# Altium PCB FMC_ADC_100M_10B_16CHA_TDC.PcbDoc (part 3 of 12) (continued)
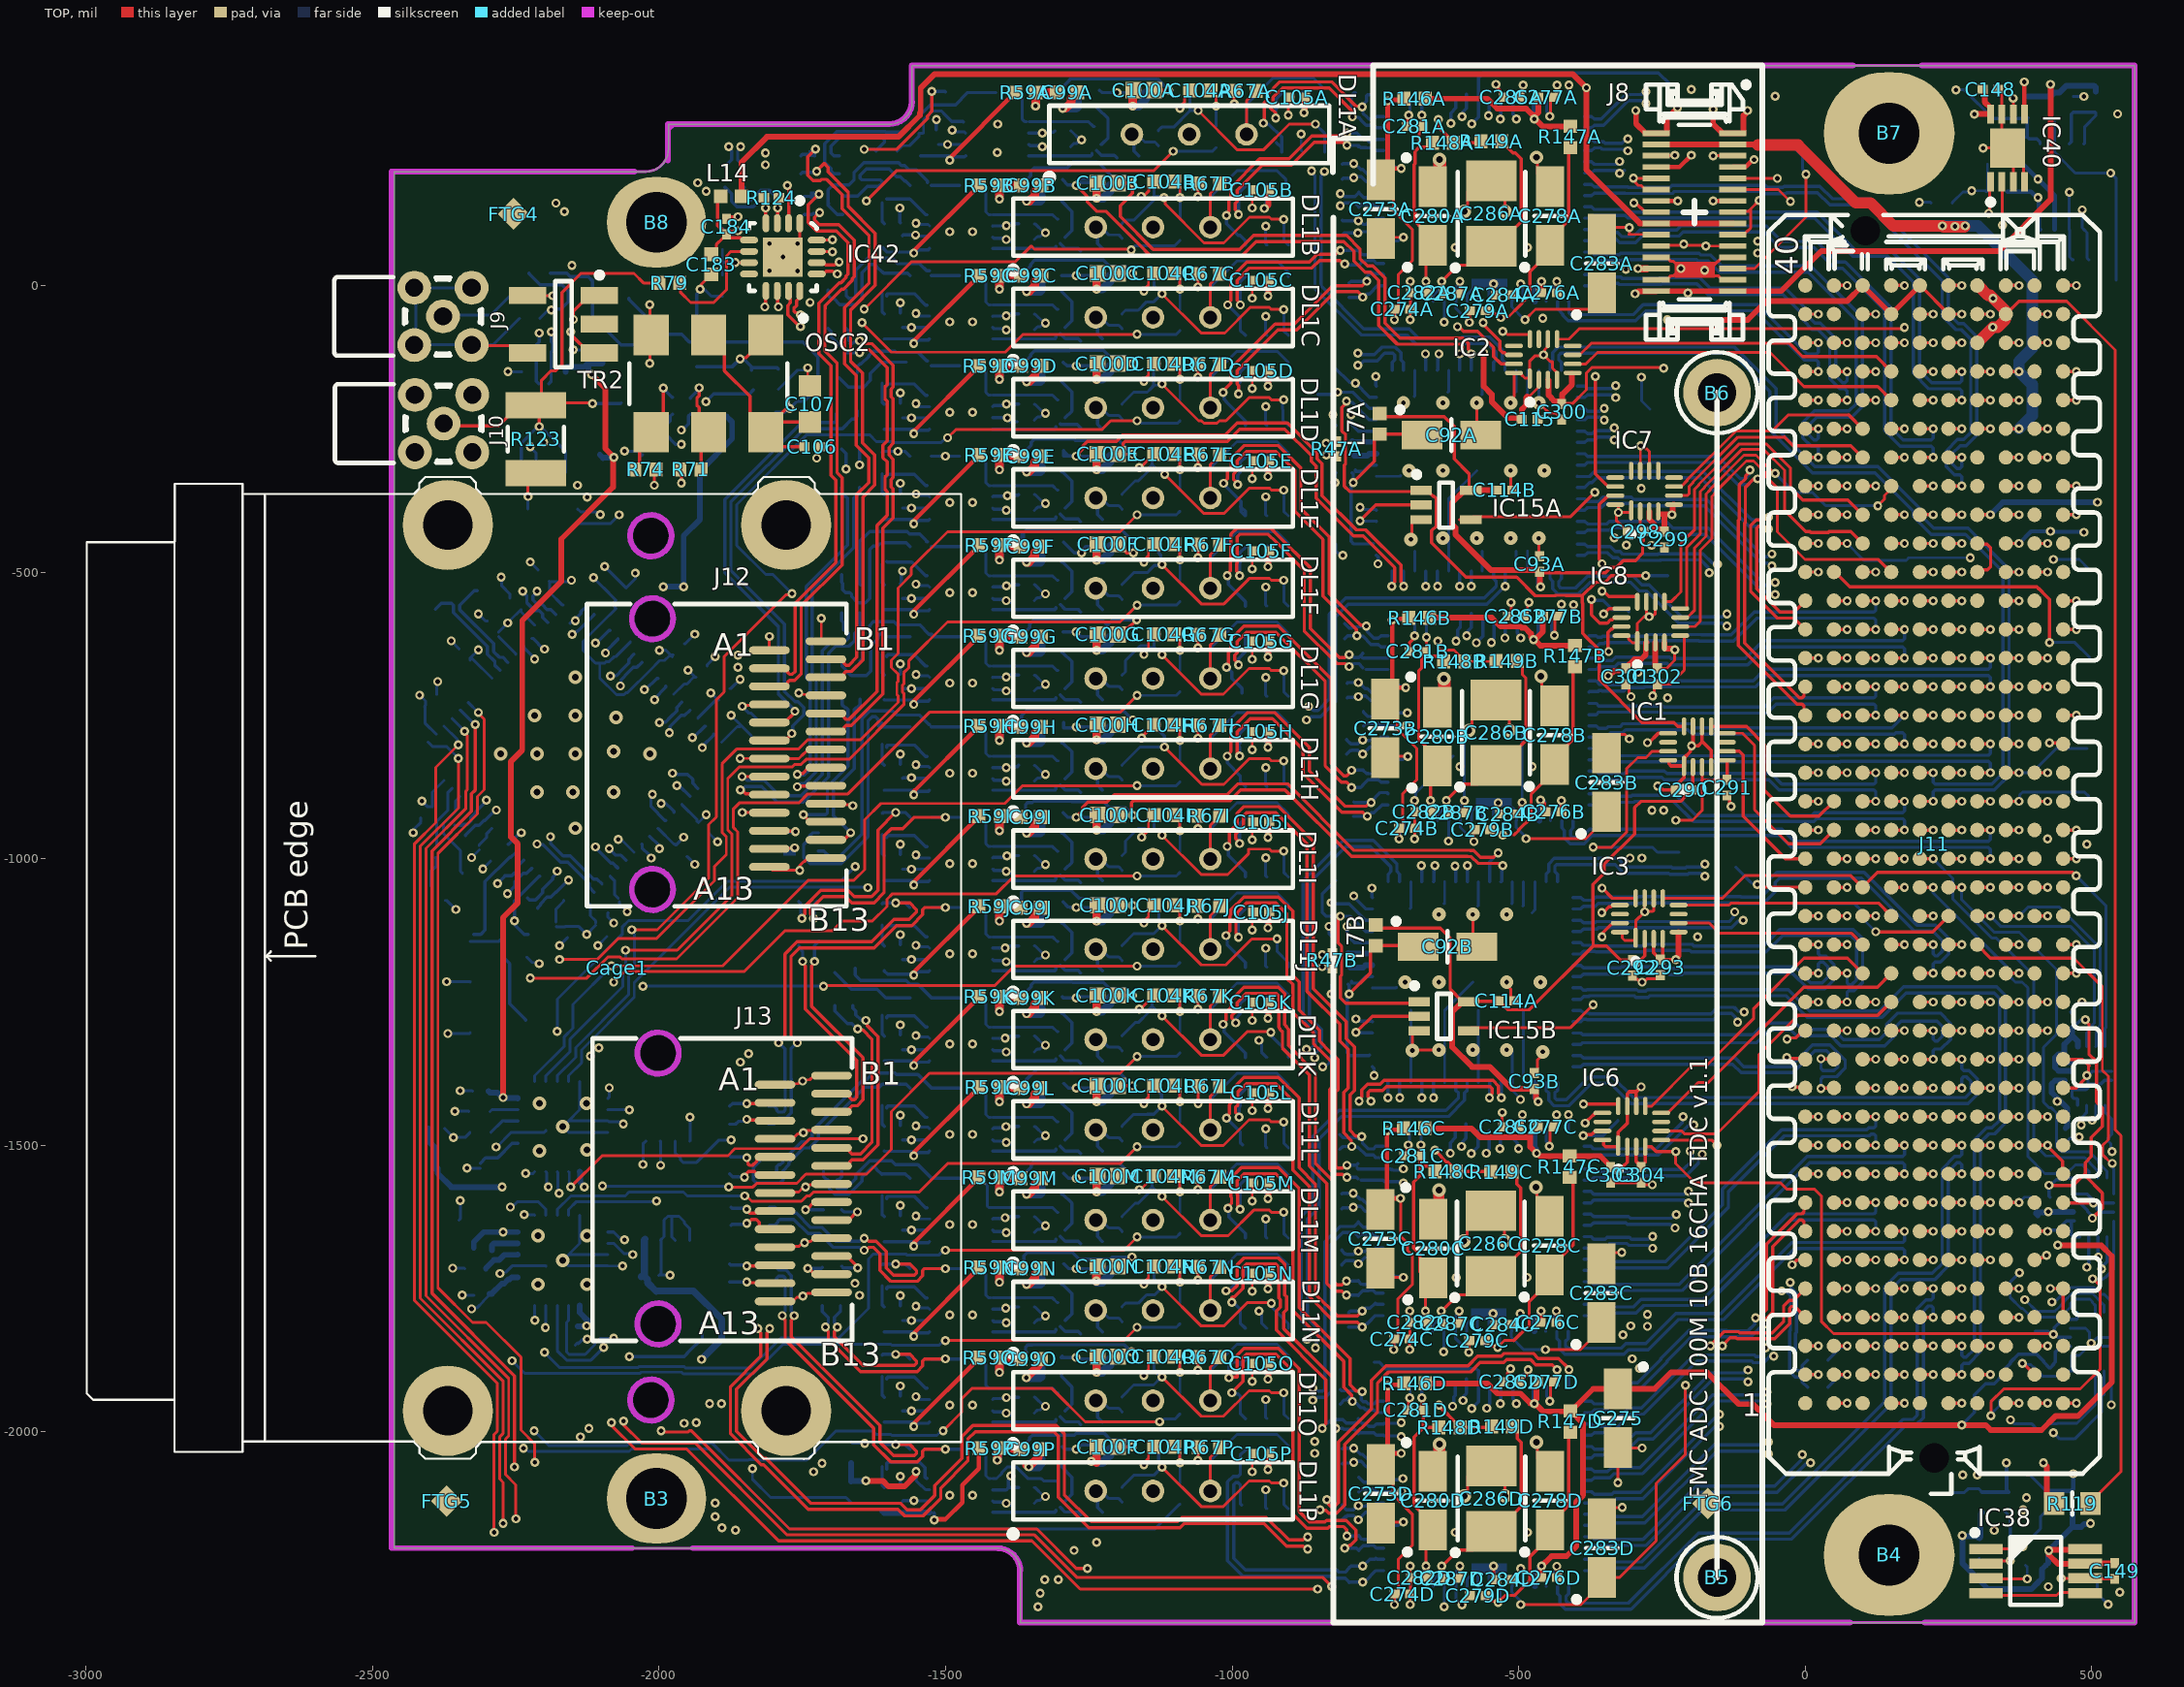
[diagram p0: TOP view]
## Part data (continued)
R1: library part R0402_1M_1%_0.0625W_100PPM, "Resistor - 1%", Case=0402, Manufacturer=GENERIC, Manufacturer1 ComponentHeight=0.4mm, Manufacturer1 Example="YAGEO PHYCOMP", Manufacturer1 Part Number=232270671005L, Power=0.0625W, Tolerance=±1%, Author="CERN DEM JLC", Component Type=Standard, CreateDate=03.12.2007, HelpURL=\\cern.ch\dfs\Applications\Altium\Datasheets\R0402_Phycomp_RC0402.pdf, LatestRevisionDate=17.10.2012, Manufacturer Part Number=R0402_1M_1%_0.0625W_100PPM, Mounted=Yes, Part Description="General Purpose Thick Film Chip Resistor", Part Number=R0402_1M_1%_0.0625W_100PPM, Pin Count=2, PressFit=No, Sense=No, SMD=Yes, Socket=No, Status="Not Recommended", TC=±100ppm/°C
R2 R3 R75 R120 R121: library part R0402_0R_JUMPER, "Resistor - 1%", Case=0402, Manufacturer=GENERIC, Manufacturer1 ComponentHeight=0.4mm, Manufacturer1 Example="YAGEO PHYCOMP", Manufacturer1 Part Number=232270591001L, Author="CERN DEM JLC", Component Type=Standard, CreateDate=3/12/2007, HelpURL=\\cern.ch\dfs\Applications\Altium\Datasheets\R0402_Phycomp_RC0402.pdf, LatestRevisionDate=17/10/2012, Manufacturer Part Number=R0402_0R_JUMPER, Mounted=Yes, Part Description="1A (0.05R Max DC Resistance) Zero Ohm Jumper", Part Number=R0402_0R_JUMPER, Pin Count=2, SMD=Yes, Socket=No, Status="Not recommended", Table="Resistors SMD"
R47A R47B R58A R58B R58C R58D R58E R58F R58G R58H R58I R58J R58K R58L R58M R58N R58O R58P R66A R66B R66C R66D R66E R66F R66G R66H R66I R66J R66K R66L R66M R66N R66O R66P R73 R76 R77 R122 R124 R139A R139B R139C R139D R140A R140B R140C R140D R141A R141B R141C R141D R142A R142B R142C R142D R143A R143B R143C R143D R144A R144B R144C R144D R145A R145B R145C R145D: library part R0201_100R_1%_0.05W_200PPM, "Resistor - 1%", Case=0201, Manufacturer=GENERIC, Manufacturer1 ComponentHeight=0.27mm, Manufacturer1 Example=VISHAY, Manufacturer1 Part Number=CRCW0201100RFNED, Power=0.05W, Tolerance=±1%, Author="CERN DEM JLC", Component Type=Standard, CreateDate=13.11.2014, HelpURL="\\cern.ch\dfs\Applications\Altium\Datasheets\R0201_VISHAY_CRCW0201 e3.pdf", LatestRevisionDate=13.11.2014, Manufacturer Part Number=R0201_100R_1%_0.05W_200PPM, Mounted=Yes, Part Description="Thick Film Chip Resistor", Part Number=R0201_100R_1%_0.05W_200PPM, Pin Count=2, PressFit=No, Sense=No, SMD=Yes, Socket=No, Status="Not Recommended", TC=±200ppm/°C
R48A R48B R48C R48D R48E R48F R48G R48H R48I R48J R48K R48L R48M R48N R48O R48P R60A R60B R60C R60D R60E R60F R60G R60H R60I R60J R60K R60L R60M R60N R60O R60P: library part R0402_20R_1%_0.0625W_100PPM, "Resistor - 1%", Case=0402, Manufacturer=GENERIC, Manufacturer1 ComponentHeight=0.4mm, Manufacturer1 Example="YAGEO PHYCOMP", Manufacturer1 Part Number=232270672009L, Power=0.0625W, Tolerance=±1%, Author="CERN DEM JLC", Component Type=Standard, CreateDate=03.12.2007, HelpURL=\\cern.ch\dfs\Applications\Altium\Datasheets\R0402_Phycomp_RC0402.pdf, LatestRevisionDate=17.10.2012, Manufacturer Part Number=R0402_20R_1%_0.0625W_100PPM, Mounted=Yes, Part Description="General Purpose Thick Film Chip Resistor", Part Number=R0402_20R_1%_0.0625W_100PPM, Pin Count=2, PressFit=No, Sense=No, SMD=Yes, Socket=No, Status="Not Recommended", TC=±100ppm/°C
R57A R57B R57C R57D R57E R57F R57G R57H R57I R57J R57K R57L R57M R57N R57O R57P R59A R59B R59C R59D R59E R59F R59G R59H R59I R59J R59K R59L R59M R59N R59O R59P: library part R0402_47R_1%_0.0625W_100PPM, "Resistor - 1%", Case=0402, Manufacturer=GENERIC, Manufacturer1 ComponentHeight=0.4mm, Manufacturer1 Example="YAGEO PHYCOMP", Manufacturer1 Part Number=232270674709L, Power=0.0625W, Tolerance=±1%, Author="CERN DEM JLC", Component Type=Standard, CreateDate=03.12.2007, HelpURL=\\cern.ch\dfs\Applications\Altium\Datasheets\R0402_Phycomp_RC0402.pdf, LatestRevisionDate=17.10.2012, Manufacturer Part Number=R0402_47R_1%_0.0625W_100PPM, Mounted=Yes, Part Description="General Purpose Thick Film Chip Resistor", Part Number=R0402_47R_1%_0.0625W_100PPM, Pin Count=2, PressFit=No, Sense=No, SMD=Yes, Socket=No, Status="Not Recommended", TC=±100ppm/°C
R61A R61B R61C R61D R61E R61F R61G R61H R61I R61J R61K R61L R61M R61N R61O R61P R69A R69B R69C R69D R69E R69F R69G R69H R69I R69J R69K R69L R69M R69N R69O R69P: library part R0402_270R_1%_0.0625W_100PPM, "Resistor - 1%", Case=0402, Manufacturer=GENERIC, Manufacturer1 ComponentHeight=0.4mm, Manufacturer1 Example="YAGEO PHYCOMP", Manufacturer1 Part Number=232270672701L, Power=0.0625W, Tolerance=±1%, Author="CERN DEM JLC", Component Type=Standard, CreateDate=03.12.2007, HelpURL=\\cern.ch\dfs\Applications\Altium\Datasheets\R0402_Phycomp_RC0402.pdf, LatestRevisionDate=17.10.2012, Manufacturer Part Number=R0402_270R_1%_0.0625W_100PPM, Mounted=Yes, Part Description="General Purpose Thick Film Chip Resistor", Part Number=R0402_270R_1%_0.0625W_100PPM, Pin Count=2, PressFit=No, Sense=No, SMD=Yes, Socket=No, Status="Not Recommended", TC=±100ppm/°C
R62A R62B R62C R62D R62E R62F R62G R62H R62I R62J R62K R62L R62M R62N R62O R62P R70A R70B R70C R70D R70E R70F R70G R70H R70I R70J R70K R70L R70M R70N R70O R70P R117: library part R0402_4R7_1%_0.0625W_200PPM, "Resistor - 1%", Case=0402, Manufacturer=GENERIC, Manufacturer1 ComponentHeight=0.4mm, Manufacturer1 Example="YAGEO PHYCOMP", Manufacturer1 Part Number=232270674708L, Power=0.0625W, Tolerance=±1%, Author="CERN DEM JLC", Component Type=Standard, CreateDate=03.12.2007, HelpURL=\\cern.ch\dfs\Applications\Altium\Datasheets\R0402_Phycomp_RC0402.pdf, LatestRevisionDate=17.10.2012, Manufacturer Part Number=R0402_4R7_1%_0.0625W_200PPM, Mounted=Yes, Part Description="General Purpose Thick Film Chip Resistor", Part Number=R0402_4R7_1%_0.0625W_200PPM, Pin Count=2, PressFit=No, Sense=No, SMD=Yes, Socket=No, Status="Not Recommended", TC=±200ppm/°C
R63A R63B R63C R63D R63E R63F R63G R63H R63I R63J R63K R63L R63M R63N R63O R63P R64A R64B R64C R64D R64E R64F R64G R64H R64I R64J R64K R64L R64M R64N R64O R64P R68A R68B R68C R68D R68E R68F R68G R68H R68I R68J R68K R68L R68M R68N R68O R68P: library part R0402_120R_1%_0.0625W_100PPM, "Resistor - 1%", Case=0402, Manufacturer=GENERIC, Manufacturer1 ComponentHeight=0.4mm, Manufacturer1 Example="YAGEO PHYCOMP", Manufacturer1 Part Number=232270671201L, Power=0.0625W, Tolerance=±1%, Author="CERN DEM JLC", Component Type=Standard, CreateDate=03.12.2007, HelpURL=\\cern.ch\dfs\Applications\Altium\Datasheets\R0402_Phycomp_RC0402.pdf, LatestRevisionDate=17.10.2012, Manufacturer Part Number=R0402_120R_1%_0.0625W_100PPM, Mounted=Yes, Part Description="General Purpose Thick Film Chip Resistor", Part Number=R0402_120R_1%_0.0625W_100PPM, Pin Count=2, PressFit=No, Sense=No, SMD=Yes, Socket=No, Status="Not Recommended", TC=±100ppm/°C
R65A R65B R65C R65D R65E R65F R65G R65H R65I R65J R65K R65L R65M R65N R65O R65P: library part R0402_160R_1%_0.0625W_100PPM, "Resistor - 1%", Case=0402, Manufacturer=GENERIC, Manufacturer1 ComponentHeight=0.4mm, Manufacturer1 Example="YAGEO PHYCOMP", Manufacturer1 Part Number=232270671601L, Power=0.0625W, Tolerance=±1%, Author="CERN DEM JLC", Component Type=Standard, CreateDate=03.12.2007, HelpURL=\\cern.ch\dfs\Applications\Altium\Datasheets\R0402_Phycomp_RC0402.pdf, LatestRevisionDate=17.10.2012, Manufacturer Part Number=R0402_160R_1%_0.0625W_100PPM, Mounted=Yes, Part Description="General Purpose Thick Film Chip Resistor", Part Number=R0402_160R_1%_0.0625W_100PPM, Pin Count=2, PressFit=No, Sense=No, SMD=Yes, Socket=No, Status="Not Recommended", TC=±100ppm/°C
R67A R67B R67C R67D R67E R67F R67G R67H R67I R67J R67K R67L R67M R67N R67O R67P: library part R0402_51R_1%_0.0625W_100PPM, "Resistor - 1%", Case=0402, Manufacturer=GENERIC, Manufacturer1 ComponentHeight=0.4mm, Manufacturer1 Example="YAGEO PHYCOMP", Manufacturer1 Part Number=232270675109L, Power=0.0625W, Tolerance=±1%, Author="CERN DEM JLC", Component Type=Standard, CreateDate=03.12.2007, HelpURL=\\cern.ch\dfs\Applications\Altium\Datasheets\R0402_Phycomp_RC0402.pdf, LatestRevisionDate=17.10.2012, Manufacturer Part Number=R0402_51R_1%_0.0625W_100PPM, Mounted=Yes, Part Description="General Purpose Thick Film Chip Resistor", Part Number=R0402_51R_1%_0.0625W_100PPM, Pin Count=2, PressFit=No, Sense=No, SMD=Yes, Socket=No, Status="Not Recommended", TC=±100ppm/°C
R71 R74 R79: library part R0402_240R_1%_0.0625W_100PPM, "Resistor - 1%", Case=0402, Manufacturer=GENERIC, Manufacturer1 ComponentHeight=0.4mm, Manufacturer1 Example="YAGEO PHYCOMP", Manufacturer1 Part Number=232270672401L, Power=0.0625W, Tolerance=±1%, Author="CERN DEM JLC", Component Type=Standard, CreateDate=03.12.2007, HelpURL=\\cern.ch\dfs\Applications\Altium\Datasheets\R0402_Phycomp_RC0402.pdf, LatestRevisionDate=17.10.2012, Manufacturer Part Number=R0402_240R_1%_0.0625W_100PPM, Mounted=Yes, Part Description="General Purpose Thick Film Chip Resistor", Part Number=R0402_240R_1%_0.0625W_100PPM, Pin Count=2, PressFit=No, Sense=No, SMD=Yes, Socket=No, Status="Not Recommended", TC=±100ppm/°C
R72 R150 R151: library part R0402_1K_1%_0.0625W_100PPM, "Resistor - 1%", Case=0402, Manufacturer=GENERIC, Manufacturer1 ComponentHeight=0.4mm, Manufacturer1 Example="YAGEO PHYCOMP", Manufacturer1 Part Number=232270671002L, Power=0.0625W, Tolerance=±1%, Author="CERN DEM JLC", Component Type=Standard, CreateDate=03.12.2007, HelpURL=\\cern.ch\dfs\Applications\Altium\Datasheets\R0402_Phycomp_RC0402.pdf, LatestRevisionDate=17.10.2012, Manufacturer Part Number=R0402_1K_1%_0.0625W_100PPM, Mounted=Yes, Part Description="General Purpose Thick Film Chip Resistor", Part Number=R0402_1K_1%_0.0625W_100PPM, Pin Count=2, Sense=No, SMD=Yes, Socket=No, Status="Not recommended", TC=±100ppm/°C
R78 R105 R111 R112 R115 R116 R138: library part R0402_10K_1%_0.0625W_100PPM, "Resistor - 1%", Case=0402, Manufacturer=GENERIC, Manufacturer1 ComponentHeight=0.4mm, Manufacturer1 Example="YAGEO PHYCOMP", Manufacturer1 Part Number=232270671003L, Power=0.0625W, Tolerance=±1%, Author="CERN DEM JLC", Component Type=Standard, HelpURL=\\cern.ch\dfs\Applications\Altium\Datasheets\R0402_Phycomp_RC0402.pdf, Manufacturer Part Number=R0402_10K_1%_0.0625W_100PPM, Mounted=Yes, Part Description="General Purpose Thick Film Chip Resistor", Part Number=R0402_10K_1%_0.0625W_100PPM, Pin Count=2, SMD=Yes, Socket=No, TC=±100ppm/°C
  R78 R105 R111 R112 R115 R116: CreateDate=3/12/2007, LatestRevisionDate=17/10/2012, Status="Not recommended", Table="Resistors SMD"
  R138: CreateDate=03.12.2007, LatestRevisionDate=17.10.2012, PressFit=No, Sense=No, Status="Not Recommended"
R80: library part R0402_82K_1%_0.0625W_100PPM, "Resistor - 1%", Case=0402, Manufacturer=GENERIC, Manufacturer1 ComponentHeight=0.4mm, Manufacturer1 Example="YAGEO PHYCOMP", Manufacturer1 Part Number=232270678203L, Power=0.0625W, Tolerance=±1%, Author="CERN DEM JLC", Component Type=Standard, CreateDate=03.12.2007, HelpURL=\\cern.ch\dfs\Applications\Altium\Datasheets\R0402_Phycomp_RC0402.pdf, LatestRevisionDate=17.10.2012, Manufacturer Part Number=R0402_82K_1%_0.0625W_100PPM, Mounted=Yes, Part Description="General Purpose Thick Film Chip Resistor", Part Number=R0402_82K_1%_0.0625W_100PPM, Pin Count=2, Sense=No, SMD=Yes, Socket=No, Status="Not recommended", TC=±100ppm/°C
R81 R84 R85 R86: library part R0402_0R_JUMPER, "Resistor", Case=0402, Manufacturer=GENERIC, Manufacturer1 ComponentHeight=0.4mm, Manufacturer1 Example="YAGEO PHYCOMP", Manufacturer1 Part Number=232270591001L, Author="CERN DEM JLC", Component Type=Standard, CreateDate=03.12.2007, HelpURL=\\cern.ch\dfs\Applications\Altium\Datasheets\R0402_Phycomp_RC0402.pdf, LatestRevisionDate=17.10.2012, Manufacturer Part Number=R0402_0R_JUMPER, Mounted=Yes, Part Description="1A (0.05R Max DC Resistance) Zero Ohm Jumper", Part Number=R0402_0R_JUMPER, Pin Count=2, PressFit=No, Sense=No, SMD=Yes, Socket=No, Status="Not Recommended"
R113 R114: library part R0402_0R_JUMPER, "Resistor - 1%", Case=0402, Manufacturer=GENERIC, Manufacturer1 ComponentHeight=0.4mm, Manufacturer1 Example=PHYCOMP, Manufacturer1 Part Number=232270591001, Author="CERN DEM JLC", Component Type=Standard, CreateDate=2007-12-03, HelpURL=\\cern.ch\dfs\Applications\Altium\Datasheets\R0402_Phycomp_RC0402.pdf, LatestRevisionDate=2008-03-13, Manufacturer Part Number=R0402_0R_JUMPER, Mounted=Yes, Part Description="1A (0.05R Max DC Resistance) Zero Ohm Jumper", Part Number=R0402_0R_JUMPER, Pin Count=2, SMD=Yes, Socket=No, Status="Not recommended", Table="Resistors SMD"
R118: library part R0402_NO-VALUE, "Resistor", Case=0402, Author="CERN DEM JLC", Component Type=Standard, CreateDate=03.12.2007, HelpURL=Undefined, LatestRevisionDate=13.03.2008, Manufacturer=Undefined, Manufacturer1 ComponentHeight=Undefined, Manufacturer1 Example=Undefined, Manufacturer1 Part Number=Undefined, Manufacturer Part Number=R0402_NO-VALUE, Mounted=No, Part Description="Reserved Footprint For a 0402 (1005) Chip Resistor", Part Number=R0402_NO-VALUE, Pin Count=2, PressFit=No, Sense=No, SMD=Yes, Socket=No, Status=None
R119: library part R0603_4K7_1%_0.1W_100PPM, "Resistor - 1%", Case=0603, Manufacturer=GENERIC, Manufacturer1 ComponentHeight=0.55mm, Manufacturer1 Example="NIC COMPONENT", Manufacturer1 Part Number=NRC06F4701TRF, Power=0.1W, Tolerance=±1%, Author="CERN DEM JLC", Component Type=Standard, CreateDate=03/12/2007, HelpURL=\\cern.ch\dfs\Applications\Altium\Datasheets\R0603_NIC_NRC.pdf, LatestRevisionDate=13/03/2008, Manufacturer Part Number=R0603_4K7_1%_0.1W_100PPM, Mounted=Yes, Part Description="General Purpose Thick Film Chip Resistor", Part Number=R0603_4K7_1%_0.1W_100PPM, Pin Count=2, SMD=Yes, Socket=No, Status=Preferred, Table="Resistors SMD", TC=±100ppm/°C
R123: library part R1210_270R_5%_0.5W_200PPM, "Resistor - 5%", Case=1210, Manufacturer=VISHAY, Manufacturer Part Number=CRCW121049R9FK, Part Number=R1210_49R9_1%_0.33W_100PPM, Power=0.33W, Tolerance=±5%, Author="CERN DEM JLC", ComponentHeight=0.7mm, Component Type=Standard, CreateDate=2011-10-26, HelpURL=\\cern.ch\dfs\Applications\Altium\Datasheets\R1210_PANASONIC_ERJ.pdf, LatestRevisionDate=2011-10-26, Mounted=Yes, Part Description="General Purpose Thick Film Chip Resistor", Pin Count=2, SMD=Yes, Socket=No, Status=None, Table="Resistors SMD", TC=±100ppm/°C
R146A R146B R146C R146D R147A R147B R147C R147D R148A R148B R148C R148D R149A R149B R149C R149D: library part R0402_10R_1%_0.0625W_200PPM, "Resistor - 1%", Case=0402, Manufacturer=GENERIC, Manufacturer1 ComponentHeight=0.4mm, Manufacturer1 Example="YAGEO PHYCOMP", Manufacturer1 Part Number=232270671009L, Power=0.0625W, Tolerance=±1%, Author="CERN DEM JLC", Component Type=Standard, CreateDate=24.06.2009, HelpURL=\\cern.ch\dfs\Applications\Altium\Datasheets\R0402_Phycomp_RC0402.pdf, LatestRevisionDate=17.10.2012, Manufacturer Part Number=R0402_10R_1%_0.0625W_200PPM, Mounted=Yes, Part Description="General Purpose Thick Film Chip Resistor", Part Number=R0402_10R_1%_0.0625W_200PPM, Pin Count=2, PressFit=No, Sense=No, SMD=Yes, Socket=No, Status="Not Recommended", TC=±200ppm/°C
R158 R159 R161 R162: library part R0402_2K2_1%_0.0625W_100PPM, "Resistor - 1%", Case=0402, Manufacturer=GENERIC, Manufacturer1 ComponentHeight=0.4mm, Manufacturer1 Example="YAGEO PHYCOMP", Manufacturer1 Part Number=232270672202L, Power=0.0625W, Tolerance=±1%, Author="CERN DEM JLC", Component Type=Standard, CreateDate=2007-12-03, HelpURL=\\cern.ch\dfs\Applications\Altium\Datasheets\R0402_Phycomp_RC0402.pdf, LatestRevisionDate=2012-10-17, Manufacturer Part Number=R0402_2K2_1%_0.0625W_100PPM, Mounted=Yes, Part Description="General Purpose Thick Film Chip Resistor", Part Number=R0402_2K2_1%_0.0625W_100PPM, Pin Count=2, SMD=Yes, Socket=No, Status="Not recommended", Table="Resistors SMD", TC=±100ppm/°C
R160: library part R0402_100K_1%_0.0625W_100PPM, "Resistor - 1%", Case=0402, Manufacturer=GENERIC, Manufacturer1 ComponentHeight=0.4mm, Manufacturer1 Example="YAGEO PHYCOMP", Manufacturer1 Part Number=232270671004L, Power=0.0625W, Tolerance=±1%, Author="CERN DEM JLC", Component Type=Standard, CreateDate=2007-12-03, HelpURL=\\cern.ch\dfs\Applications\Altium\Datasheets\R0402_Phycomp_RC0402.pdf, LatestRevisionDate=2012-10-17, Manufacturer Part Number=R0402_100K_1%_0.0625W_100PPM, Mounted=Yes, Part Description="General Purpose Thick Film Chip Resistor", Part Number=R0402_100K_1%_0.0625W_100PPM, Pin Count=2, SMD=Yes, Socket=No, Status="Not recommended", Table="Resistors SMD", TC=±100ppm/°C
SCREW1 SCREW2: library part BOSSARD_BN650-1243721_v, "Screw", Manufacturer=BOSSARD, Manufacturer Part Number="BN650 Art.1243721", Author="CERN DEM JMW", ComponentHeight=1mm, Component Type=Mechanical, CreateDate=04.12.2015, HelpURL=\\cern.ch\dfs\Applications\Altium\Datasheets\BOSSARD_BN650-1243721.pdf, LatestRevisionDate=04.12.2015, Mounted=Yes, PackageDescription="M1.6 L=8mm Slotted Cheese Head Machine Screw, DIN 84 A, Stainless Steel A2", Part Description="M1.6 L=8mm Slotted Cheese Head Machine Screw, DIN 84 A, Stainless Steel A2", Part Number=BOSSARD_BN650-1243721_v, Pin Count=0, PressFit=No, Sense=No, SMD=No, Socket=No, Status=None
T8: "Dual N-Channel micro TrenchMOS™ Ultra Low Level FET", Case=SOT363, Manufacturer="NXP SEMICONDUCTORS", Author="CERN DEM JLC", Bonding=No, ComponentHeight=1.1mm, Component Type=Standard, CreateDate=19.11.2014, Device=PMGD280UN, HelpURL=\\cern.ch\dfs\Applications\Altium\Datasheets\PMGD280UN.pdf, LatestRevisionDate=19.11.2014, Manufacturer Part Number=PMGD280UN, Mounted=Yes, PackageDescription="SOT363, SC70-6, SOT, 0.65mm Pitch, 6 pin, 1.25mm W X 2.00mm L X 1.10mm H, IPC Medium Density", Part Description="20V 870mA Dual N-Channel micro TrenchMOS™ Ultra Low Level FET", Part Number=PMGD280UN, Pin Count=6, PressFit=No, Sense=No, SMD=Yes, Socket=No
TP23 TP24 TP35 TP36 TP37 TP38 TP39 TP40 TP43 TP44: library part SMD_PAD_1.27X1.27MM, Author="CERN DEM JLC", ComponentHeight=0mm, Component Type="Standard (No BOM)", CreateDate=12.01.2008, Family="Test Point", HelpURL=Undefined, LatestRevisionDate=12.01.2008, Mounted=No, PackageDescription="1.27mm x 1.27mm PCB Copper Area (SMD Test Point)", Part Description="1.27mm x 1.27mm PCB Copper Area (SMD Test Point)", Part Number=SMD_PAD_1.27X1.27MM, Pin Count=1, Sense=No, SMD=Yes, Socket=No, Status=None
TR2: library part XFMR_MINI-CIRCUITS_TC1-1+, "50 Ohm  0.4 To 500MHz RF Transformers", Manufacturer=MINI-CIRCUITS, Manufacturer Part Number=TC1-1T+, Part Number=XFMR_MINI-CIRCUITS_TC1-1T+, Author="CERN DEM JLC", ComponentHeight=4.06mm, Component Type=Standard, CreateDate=2010-02-08, HelpURL=\\cern.ch\dfs\Applications\Altium\Datasheets\XFMR_MINI-CIRCUITS_TC1-1+.pdf, LatestRevisionDate=2010-04-27, Mounted=Yes, Part Description="50 Ohms 1.5 to 500 MHz RF Transformer", Pin Count=5, SMD=Yes, Socket=No, Status=None, Table=Transformers

## Via types
v1: diameter 15.75, hole 7.87, TOP to BOTTOM, tented both sides, 1528 vias
v2: diameter 23.62, hole 11.81, TOP to BOTTOM, tented both sides, 39 vias
v3: diameter 23.62, hole 7.87, TOP to BOTTOM, tented both sides, 26 vias

## Nets (pads, with @x,y where several pads share a name; then routed paths per layer and width w, separated by ;. In a path a pad name is that pad's centre, name@x,y a point inside that pad or via, vN(x,y) a via of type N, cw(c..) or ccw(c..) an arc to the next point about the centre after c; other vN are vias at no path point)
3P3VAUX: C148.1 C149.1 C150.1 IC38.7 IC38.8 IC39.8 IC40.8 J11.d32 R105.2 R111.2 R112.2 R115.2 R116.2 | length 6562.1
  TOP w5.71: J11.d32@300,-400 v1(323,-400)
  TOP w10: v1(295,299) 323.39,299 IC40.8@323.47,298.92 323.47,309.75 313.08,320.13 313.08,339.44 310.2,342.32 C148.1@309.22,342.32 ; IC38.8@488.66,-2204.34 487.08,-2205.92 426.1,-2205.92 v1(425,-2207.02) 425,-2214.21 440.73,-2229.93 IC38.7@488.66,-2229.93 489.15,-2229.44 539.35,-2229.44 C149.1@539.84,-2228.95
  L3 w10: v1(-1925.59,-1873.42) -1925.59,-1914.54 -1929.74,-1918.68 -1929.74,-1958.24 -1880.59,-2007.39 -1868.23,-2007.39 -1819.08,-2056.53 -1819.08,-2067.94 -1773.76,-2113.26 -1575.72,-2113.26 -1564.72,-2102.26 -1545.46,-2102.26 -1536.17,-2092.97 -1445.87,-2092.97 -1434.13,-2104.7 -1388.86,-2104.7 -1352.88,-2140.68 -1316.77,-2140.68 -1235.24,-2222.21 -785.23,-2222.21 -779.45,-2216.43 -591.8,-2216.43 -569.99,-2238.24 -565.04,-2238.24 -551.1,-2252.18 -536.3,-2252.18 -525.83,-2241.71 -525.83,-2234.52 -495.93,-2204.62 34.83,-2204.62 79.95,-2159.5 103.89,-2159.5 117.65,-2145.74 220.44,-2145.74 255.7,-2181 v1(274,-2181) ; v1(497.65,-2159.5) 497.65,-1967.6 505.43,-1959.82 505.43,-1941.32 534.87,-1911.87 534.87,-1709.03 532.55,-1706.71 532.55,-1578.77 506.67,-1552.9 490.01,-1536.24 490.01,-1516.01 506.67,-1499.34 532.55,-1473.47 532.55,-400.72 v1(510.03,-378.2) ; v1@514,-378.2 514,268.16 v1(545,299.16)
  L2 w10: v1(295,299) 295.15,299.15 v1(545,299.16)
  BOTTOM w10: R116.2@308.54,-2140.37 306.08,-2142.83 306.08,-2183.18 R112.2@303.62,-2185.64 300.08,-2182.1 275.1,-2182.1 v1(274,-2181) 274,-2229.22 319.16,-2274.38 394.68,-2274.38 405.15,-2263.91 405.15,-2263.57 412.95,-2255.77 412.95,-2239.7 R105.2@419.76,-2232.89 423.9,-2228.75 423.9,-2208.12 v1(425,-2207.02) 466.02,-2166 ; v1(323,-400) 344.8,-378.2 v1(510.03,-378.2) ; R115.2@466.02,-2136.43 466.02,-2166 ; v1(497.65,-2159.5) 496.55,-2160.6 486.68,-2160.6 481.28,-2166 466.02,-2166
  BOTTOM w12: C150.1@-2030.93,-1729.84 C150.1@-2030.93,-1728.86 ; C150.1@-2028.07,-1726.98 C150.1@-2027.49,-1726.98 ; IC39.8@-2024.02,-1663.44 -2025.61,-1665.03 -2025.61,-1725.11 C150.1@-2027.49,-1726.98 ; v1@-1921.23,-1868.71 -1890.69,-1838.18 -1890.69,-1803.4 -1940.09,-1754 -2004.26,-1754 -2005.02,-1754.76 -2020.37,-1739.41 -2020.37,-1733.7 -2027.09,-1726.98 C150.1@-2027.49,-1726.98
ADC_CLKA_N: C98A.1 IC34.38 R47A.1 | length 1735.9
  TOP w5.71: v1(-836.03,-275.11) -820.93,-275.11 R47A.1@-818.31,-272.49
  L3 w4: v1(-2151.58,-608.87) -2151.58,-608.5 -2159.54,-600.53 -2162.58,-600.53 -2176.67,-586.44 -2176.67,-395.27 -2141.41,-360.01 -2141.41,-349.2 v1(-2142.12,-348.48)
  L2 w4: v1(-2142.12,-348.48) -2141.41,-349.2 -2130.59,-349.2 -2102.06,-320.67 -1856.71,-320.67 -1842.37,-335.01 -1602.93,-335.01 -1589.14,-321.22 -1502.85,-321.22 -1452.17,-270.54 -1151.15,-270.54 -1140.71,-280.99 -844.24,-280.99 -838.37,-275.11 v1(-836.03,-275.11)
  BOTTOM w5.71: v1(-2151.58,-608.87) -2148.86,-608.87 -2142.55,-602.56 -2141.38,-602.56 -2113.41,-574.59 IC34.38@-2113.41,-574.01 ; v1(-836.03,-275.11) -834.32,-273.41 -820.01,-273.41 C98A.1@-818.31,-271.71
ADC_CLKA_P: C97A.1 IC34.37 R47A.2 | length 1701.8
  TOP w5.71: v1(-835.71,-295.86) -820.93,-295.86 R47A.2@-818.31,-298.48
  L3 w4: v1(-2146.06,-584.7) -2147.45,-584.7 -2154.28,-591.53 -2158.85,-591.53 -2167.67,-582.71 -2167.67,-399 -2137.02,-368.36 -2126.21,-368.36 v1(-2125.49,-369.07)
  L2 w4: v1(-2125.49,-369.07) -2126.21,-368.36 -2126.21,-357.54 -2098.34,-329.67 -1860.44,-329.67 -1846.1,-344.01 -1599.2,-344.01 -1585.42,-330.22 -1499.12,-330.22 -1448.45,-279.54 -1154.88,-279.54 -1144.44,-289.99 -843.93,-289.99 -838.05,-295.86 v1(-835.71,-295.86)
  BOTTOM w5.71: -2155,-589.21 -2150.49,-584.7 v1@-2148.77,-584.7 ; v1(-2146.06,-584.7) v1@-2148.77,-584.7 ; IC34.37@-2127.32,-560.09 -2136.15,-568.91 -2136.15,-572.07 v1@-2148.77,-584.7 ; v1(-835.71,-295.86) -821.71,-295.86 C97A.1@-818.31,-299.27
ADC_CLKB_N: C98B.1 IC34.53 R47B.1 | length 1818.4
  TOP w5.71: v1(-842.92,-1167.67) -827.82,-1167.67 R47B.1@-825.2,-1165.05
  L3 w4: v1(-1924.52,-806.24) -1924.79,-806.51 -1935.88,-806.51 -1939.4,-810.02 -1939.4,-816.68 -1874.16,-881.91 -1874.16,-1318.2 -1853.67,-1338.69 -1845.36,-1338.69 v1(-1843.71,-1340.35) ; v1@-845.26,-1167.67 v1(-842.92,-1167.67)
  L2 w4: v1(-1843.71,-1340.35) -1842.05,-1342 -1842.05,-1350.31 -1837.85,-1354.51 -1834.29,-1354.51 -1822.52,-1366.29 -1761.71,-1366.29 -1759.4,-1363.97 -1573.53,-1363.97 -1561.79,-1375.72 -1477.78,-1375.72 -1463.18,-1361.12 -969.61,-1361.12 -917.5,-1309.01 -917.5,-1229.24 -861.8,-1173.55 -851.13,-1173.55 -845.26,-1167.67 v1(-842.92,-1167.67)
  BOTTOM w5.71: v1(-1924.52,-806.24) -1924.52,-804.36 -1904.61,-784.45 IC34.53@-1904.61,-782.8 ; v1(-842.92,-1167.67) -841.21,-1165.97 -826.9,-1165.97 C98B.1@-825.2,-1164.27
ADC_CLKB_P: C97B.1 IC34.52 R47B.2 | length 1840.7
  TOP w5.71: v1(-842.92,-1188.42) -827.82,-1188.42 R47B.2@-825.2,-1191.04
  L3 w4: v1(-1941.98,-788.79) -1942.24,-789.05 -1942.24,-800.14 -1948.4,-806.3 -1948.4,-820.41 -1883.16,-885.64 -1883.16,-1321.93 -1860.03,-1345.05 -1860.03,-1353.36 v1(-1858.38,-1355.02) ; v1@-845.26,-1188.42 v1(-842.92,-1188.42)
  L2 w4: v1(-1858.38,-1355.02) -1856.72,-1356.67 -1848.41,-1356.67 -1841.57,-1363.51 -1838.02,-1363.51 -1826.24,-1375.29 -1757.98,-1375.29 -1755.67,-1372.97 -1577.26,-1372.97 -1565.52,-1384.72 -1474.06,-1384.72 -1459.45,-1370.12 -965.88,-1370.12 -908.5,-1312.74 -908.5,-1232.97 -858.08,-1182.55 -851.13,-1182.55 -845.26,-1188.42 v1(-842.92,-1188.42)
  BOTTOM w5.71: v1(-1941.98,-788.79) -1940.09,-788.79 -1920.18,-768.88 IC34.52@-1918.53,-768.88 ; v1(-842.92,-1188.42) -841.21,-1190.12 -826.9,-1190.12 C97B.1@-825.2,-1191.82
ADC_IN0.SIG_N: C100A.1 IC14A.11 R60A.2 | length 1250
  TOP w5.71: C100A.1@-1135.83,340.5 -1111.5,340.5 v1@-1111,340
  L2 w4: v1@-1107.35,343.78 -1107.35,340.4 -1103.68,336.72 -1037.93,336.72 -1037.84,336.81 -1018.07,336.81 -1017.98,336.72 -1010.37,336.72 -1006.35,340.75 -986.57,340.75 -982.54,336.72 -868.72,336.72 -830.85,298.85 -830.85,246.73 -845.02,232.57 -845.02,206.98 -838.98,200.93 v1(-838.98,198.76)
  BOTTOM w5.71: R60A.2@-1305.51,336.56 -1288.48,353.6 -1288.48,353.72 -1282.03,360.17 -1130.3,360.17 v1(-1110.63,340.5) ; v1(-838.98,198.76) -838.98,196.34 -844.91,190.4 -844.91,-0.9 -770.18,-75.63 -691.22,-75.63 -675.12,-91.73 -600.48,-91.73 -599.22,-90.47 -550.37,-90.47 -528.5,-112.33 -528.5,-129.9 -524.02,-134.39 IC14A.11@-524.02,-147.85
ADC_IN0.SIG_P: IC14A.10 R48A.2 R58A.2 | length 1150.5
  L2 w4: v1(-1201.18,336.56) -1150.04,336.56 -1139.1,325.62 -1095.35,325.62 -1093.25,327.72 -1034.21,327.72 -1034.12,327.81 -1021.79,327.81 -1021.7,327.72 -1006.65,327.72 -1002.62,331.75 -990.3,331.75 -986.27,327.72 -872.45,327.72 -839.85,295.13 -839.85,252.58 -855.52,236.91 -855.52,208.15 -861.57,202.1 v1(-861.57,199.93)
  BOTTOM w5.71: R48A.2@-1231.53,340.5 -1227.59,336.56 R58A.2@-1174.8,336.56 ; v1(-861.57,199.93) -861.57,197.51 -855.63,191.57 -855.63,-5.33 -774.62,-86.34 -695.66,-86.34 -679.56,-102.44 -596.05,-102.44 -594.78,-101.18 -554.8,-101.18 -539.22,-116.77 -539.22,-129.9 -543.7,-134.39 IC14A.10@-543.7,-147.85
ADC_IN1.SIG_N: C100B.1 IC14A.8 R60B.2 | length 1149.1
  TOP w5.71: C100B.1@-1198.94,178.53 v1(-1173.74,178.53) -1173.74,160.61 -1195.38,138.98 -1195.38,120.06 -1138.03,62.7 -987.24,62.7 -962.54,87.41 -800.46,87.41 -776.92,63.87 -776.92,47.06 -763.74,33.88 -754.14,33.88 -733.38,13.13 -733.38,-65.69 -707.34,-91.73 -597.18,-91.73 -587.56,-101.35 -587.56,-111.57 -582.54,-116.59 v1(-582.54,-119.3)
  BOTTOM w5.71: R60B.2@-1368.63,174.59 -1351.59,191.63 -1351.59,199.11 -1345.75,204.96 -1287.95,204.96 -1277.3,215.61 -1235.18,215.61 -1210.28,190.71 -1185.93,190.71 v1(-1173.74,178.53) ; IC14A.8@-583.07,-147.85 -582.81,-147.58 -582.81,-119.57 v1(-582.54,-119.3)
ADC_IN1.SIG_P: IC14A.7 R48B.2 R58B.2 | length 1021.6
  TOP w5.71: v1(-1272.17,174.59) -1253.1,155.53 -1253.1,146.36 -1235.96,129.21 -1219.69,129.21 -1152.66,62.19 -1152.66,61.61 -1143.04,51.99 -982.81,51.99 -958.1,76.7 -804.9,76.7 -787.63,59.43 -787.63,42.62 -768.18,23.17 -758.57,23.17 -744.1,8.69 -744.1,-70.12 -711.78,-102.44 -601.62,-102.44 -598.27,-105.79 -598.27,-111.57 -603.29,-116.59 v1(-603.29,-119.3)
  BOTTOM w5.71: R48B.2@-1295.96,184.58 -1287.01,175.62 -1280.1,175.62 v1@-1279.08,174.59 ; v1(-1272.17,174.59) -1272.17,177.31 -1268.36,181.12 -1268.36,182.62 -1265.02,185.96 -1247.46,185.96 -1244.12,182.62 -1244.12,180 -1238.7,174.59 R58B.2@-1237.92,174.59 -1242.91,179.58 v1@-1272.17,179.58 ; v1(-603.29,-119.3) -603.02,-119.57 -603.02,-147.58 IC14A.7@-602.76,-147.85
ADC_IN2.SIG_N: C100C.1 IC14A.5 R60C.2 | length 875.3
  TOP w5.71: C100C.1@-1198.94,21.05 v1(-1173.74,21.05)
  L2 w4: v1(-1173.74,21.05) -1171.5,18.8 -1166.62,18.8 -1165.53,17.71 -1073.06,17.71 -1069.46,21.3 -1049.68,21.3 -1046.09,17.71 -925.63,17.71 -833.16,-74.77 -671.45,-74.77 -645.73,-100.48 -645.73,-111.09 -639.17,-117.65 v1(-639.17,-119.31)
  BOTTOM w5.71: R60C.2@-1368.63,17.11 -1351.59,34.15 -1351.59,37.03 -1344.43,44.19 -1283.49,44.19 -1283.38,44.3 -1224.66,44.3 -1213.6,33.23 -1185.93,33.23 v1(-1173.74,21.05) ; IC14A.5@-642.13,-147.85 -640.96,-146.68 -640.96,-121.1 v1(-639.17,-119.31)
ADC_IN2.SIG_P: IC14A.4 R48C.2 R58C.2 | length 779.2
  L2 w4: v1(-1272.17,17.11) -1270.2,19.08 -1219.27,19.08 -1206.37,6.18 -1158.89,6.18 -1156.36,8.71 -1069.33,8.71 -1065.73,12.3 -1053.41,12.3 -1049.81,8.71 -931.48,8.71 -837.51,-85.27 -675.8,-85.27 -656.23,-104.83 -656.23,-111.09 -662.79,-117.65 v1(-662.79,-119.31)
  BOTTOM w5.71: R48C.2@-1297.76,17.11 v1(-1272.17,17.11) -1272.05,17.24 -1238.04,17.24 R58C.2@-1237.92,17.11 ; v1(-662.79,-119.31) -662.3,-119.8 -662.3,-147.36 IC14A.4@-661.81,-147.85
ADC_IN3.SIG_N: C100D.1 IC14A.2 R60D.2 | length 763
  TOP w5.71: C100D.1@-1198.94,-136.43 -1175.57,-136.43 v1@-1175,-137
  L2 w4: v1(-1173.74,-136.43) -1171.5,-138.68 -1166.62,-138.68 -1165.53,-139.77 -1162.21,-139.77 -1150.44,-128.01 -793.76,-128.01 -784,-118.24 v1(-780.91,-118.24)
  BOTTOM w5.71: R60D.2@-1368.63,-140.37 -1351.59,-123.33 -1351.59,-120.75 -1344.43,-113.59 -1283.84,-113.59 -1283.43,-113.18 -1224.49,-113.18 -1213.43,-124.25 -1185.93,-124.25 v1(-1173.74,-136.43) ; v1(-780.91,-118.24) -778.99,-120.16 -773.21,-120.16 -772.54,-120.82 -751.58,-120.82 -738.26,-107.5 -715.29,-107.5 -705.67,-117.12 -705.67,-129.9 -701.18,-134.39 IC14A.2@-701.18,-147.85
ADC_IN3.SIG_P: IC14A.1 R48D.2 R58D.2 | length 658.1
  L2 w4: v1(-1272.17,-140.37) -1270.2,-138.4 -1219.27,-138.4 -1206.37,-151.3 -1158.89,-151.3 -1144.6,-137.01 -790.04,-137.01 -788.01,-134.98 -784,-138.99 v1(-780.91,-138.99)
  BOTTOM w5.71: R48D.2@-1294.65,-133.97 -1288.25,-140.37 v1(-1272.17,-140.37) R58D.2@-1237.92,-140.37 ; -773.17,-133.97 -770.74,-131.54 -747.15,-131.54 -733.82,-118.22 -719.73,-118.22 -716.38,-121.56 -716.38,-129.9 -720.87,-134.39 IC14A.1@-720.87,-147.85
ADC_IN4.SIG_N: C100E.1 IC14A.48 R60E.2 | length 951
  TOP w5.71: v1(-1173.74,-294.41) -1198.44,-294.41 C100E.1@-1198.94,-293.91 -1190.35,-285.32 -1190.35,-275.33 -1187.01,-271.98 -1008.14,-271.98 -987.07,-250.91 -908.13,-250.91 -862.15,-296.89 -862.15,-306.81 -853.73,-315.23 -853.73,-371.28 -787.92,-437.09 -771.59,-437.09 -716.38,-492.29 -716.38,-517.08 -721.4,-522.1 v1(-721.4,-524.82)
  BOTTOM w5.71: R60E.2@-1367.44,-295.88 -1367.44,-295.09 -1350.8,-278.45 -1350.8,-273.48 -1345.54,-268.22 -1276.18,-268.22 -1273.73,-270.66 -1197.49,-270.66 v1(-1173.74,-294.41) ; v1(-721.4,-524.82) -721.13,-524.55 -721.13,-498.51 IC14A.48@-720.87,-498.24
ADC_IN4.SIG_P: IC14A.47 R48E.2 R58E.2 | length 891.9
  TOP w5.71: v1(-1272.17,-297.85) -1272.17,-296.29 -1261.32,-285.44 -1261.32,-280.81 -1252.39,-271.88 -1202.06,-271.88 -1191.45,-261.27 -1012.58,-261.27 -991.51,-240.2 -903.7,-240.2 -851.44,-292.45 -851.44,-302.38 -843.02,-310.8 -843.02,-366.84 -783.49,-426.37 -767.15,-426.37 -705.67,-487.86 -705.67,-517.08 -700.65,-522.1 v1(-700.65,-524.82)
  BOTTOM w5.71: R48E.2@-1293.86,-288.28 R48E.2@-1293.86,-289.07 ; v1(-1272.17,-297.85) -1272.39,-297.63 -1285.3,-297.63 R48E.2@-1293.86,-289.07 ; R58E.2@-1237.92,-297.85 -1293.86,-297.85 R48E.2@-1293.86,-289.07 ; IC14A.47@-701.18,-498.24 -700.92,-498.51 -700.92,-524.55 v1(-700.65,-524.82)
ADC_IN5.SIG_N: C100F.1 IC14A.45 R60F.2 | length 885.5
  TOP w5.71: C100F.1@-1198.94,-451.39 -1198.94,-451.59 -1187.82,-462.71 -1187.62,-462.71 -1183.8,-466.53 v1@-1172.47,-466.53
  L2 w4: v1(-1172.03,-466.59) -1169.78,-464.34 -1169.78,-462 -1067.59,-462 -1065.73,-460.14 -1053.41,-460.14 -1051.55,-462 -941.31,-462 -893.99,-509.32 -735.59,-509.32 -733.58,-507.31 -658.81,-507.31 -656.47,-509.66 -656.47,-516.6 -662.34,-522.47 v1(-662.34,-524.82)
  BOTTOM w5.71: R60F.2@-1367,-455 -1367,-434 -1360.39,-427.39 -1279.19,-427.39 -1278.43,-428.14 -1190.82,-428.14 -1172.03,-446.94 v1(-1172.03,-466.59) ; R60F.2@-1364,-452 -1364,-432 ; v1(-662.34,-524.82) -662.08,-524.55 -662.08,-498.51 IC14A.45@-661.81,-498.24
ADC_IN5.SIG_P: IC14A.44 R48F.2 R58F.2 | length 750.8
  L2 w4: v1(-1262.72,-466.59) -1245.4,-466.59 -1242.89,-464.08 -1223.2,-464.08 -1212.12,-453 -1179.48,-453 -1178.19,-451.71 -1165.87,-451.71 -1164.58,-453 -1071.32,-453 -1069.46,-451.14 -1049.68,-451.14 -1047.82,-453 -937.58,-453 -890.26,-500.32 -739.31,-500.32 -737.3,-498.31 -655.09,-498.31 -647.47,-505.93 -647.47,-516.6 -641.6,-522.47 v1(-641.6,-524.82)
  BOTTOM w5.71: R48F.2@-1293.86,-447.45 -1293.86,-448.24 -1275.51,-466.59 v1@-1270.19,-466.59 ; v1@-1258.81,-459.95 -1258.81,-458.6 -1255.54,-455.33 R58F.2@-1237.92,-455.33 ; IC14A.44@-642.13,-498.24 -641.86,-498.51 -641.86,-524.55 v1(-641.6,-524.82)
ADC_IN6.SIG_N: C100G.1 IC14A.42 R60G.2 | length 928.5
  TOP w5.71: -1176.65,-592.57 -1176.65,-592.77 -1178.38,-594.49 -1178.57,-594.49 -1181.63,-597.55 -1187.82,-597.55 -1198.94,-608.67 C100G.1@-1198.94,-608.87 -1188,-597.93 -1181.04,-597.93 v1(-1166.62,-583.52)
  L2 w4: v1(-1166.62,-583.52) -1144.38,-583.52 -1115.8,-554.93 -830.2,-554.93 -816.33,-541.07 -717.94,-541.07 -707.12,-551.88 -613.97,-551.88 -603.29,-541.2 v1(-603.29,-524.82)
  BOTTOM w5.71: R60G.2@-1367.44,-610.84 -1367.44,-610.05 -1358.88,-601.49 -1358.1,-601.49 -1353.1,-596.5 -1353.1,-590.79 -1345.83,-583.52 -1281.53,-583.52 -1279.42,-585.63 -1224.48,-585.63 -1217.54,-592.57 -1208.48,-583.52 v1(-1166.62,-583.52) ; v1(-603.29,-524.82) -603.02,-524.55 -603.02,-498.51 IC14A.42@-602.76,-498.24
ADC_IN6.SIG_P: IC14A.41 R48G.2 R58G.2 | length 828.4
  L2 w4: v1(-1272.44,-604.38) -1262.06,-594 -1189.88,-594 -1185.49,-598.39 -1146.53,-598.39 -1112.07,-563.93 -826.47,-563.93 -814.42,-551.88 -719.85,-551.88 -710.85,-560.88 -607.01,-560.88 -588.42,-542.29 -588.42,-533.03 -582.54,-527.16 v1(-582.54,-524.82)
  BOTTOM w5.71: R48G.2@-1295.18,-604.6 -1294.96,-604.38 v1(-1272.44,-604.38) -1264.01,-612.81 R58G.2@-1237.92,-612.81 ; IC14A.41@-583.07,-498.24 -582.81,-498.51 -582.81,-524.55 v1(-582.54,-524.82)
ADC_IN7.SIG_N: C100H.1 IC14A.39 R60H.2 | length 1113.4
  TOP w5.71: C100H.1@-1198.94,-766.35 -1190.52,-757.93 v1(-1173.62,-757.93)
  L2 w4: v1(-1173.62,-757.93) -1173.57,-757.88 -1162.09,-757.88 -1145.08,-740.87 -874.75,-740.87 -868.19,-734.31 v1(-866.53,-734.31)
  BOTTOM w5.71: R60H.2@-1367.44,-768.32 R60H.2@-1367.44,-767.53 ; R60H.2@-1358.53,-758.97 -1358.88,-758.97 R60H.2@-1367.44,-767.53 ; v1@-1177.89,-757.93 -1176.9,-756.94 -1176.9,-754.65 -1188.44,-743.11 -1277.79,-743.11 -1278.54,-742.35 -1358.95,-742.35 -1367.44,-750.85 R60H.2@-1367.44,-767.53 ; v1(-866.53,-734.31) -865.27,-734.31 -858.17,-741.4 -850.38,-741.4 -830.38,-721.41 -830.38,-573.46 -802.13,-545.21 -559.9,-545.21 -539.22,-524.53 -539.22,-516.19 -543.7,-511.7 IC14A.39@-543.7,-498.24
ADC_IN7.SIG_P: IC14A.38 R48H.2 R58H.2 | length 1030.8
  L2 w4: v1(-1272.17,-770.29) -1215.71,-770.29 -1213.19,-772.8 -1162.16,-772.8 -1140.73,-751.37 -878.69,-751.37 -872.13,-757.93 v1(-870.47,-757.93)
  BOTTOM w5.71: R48H.2@-1293.86,-762.41 -1293.86,-772 -1272.17,-772 -1270.46,-770.29 R58H.2@-1237.92,-770.29 ; v1(-870.47,-757.93) -867.92,-757.93 -862.11,-752.12 -845.94,-752.12 -819.67,-725.85 -819.67,-577.9 -797.69,-555.92 -555.46,-555.92 v1@-528.5,-528.97 ; IC14A.38@-524.02,-498.24 -523.75,-498.51 -523.75,-524.55 v1(-523.49,-524.82)
ADC_IN8.SIG_N: C100I.1 IC14B.11 R60I.2 | length 1008.6
  TOP w5.71: C100I.1@-1198.94,-923.83 -1176.17,-923.83 v1@-1174,-926 ; v1@-1175.33,-922.25 -1175.33,-902.44 -1171.98,-899.09 -1004.25,-899.09 -985.31,-880.15 -907.97,-880.15 -791.99,-996.13 -589.38,-996.13 -589.04,-996.47 -582.92,-996.47 -571.27,-1008.12 -534.41,-1008.12 -530.67,-1011.87 v1(-527.95,-1011.87)
  BOTTOM w5.71: R60I.2@-1367.44,-925.8 -1360.39,-918.75 -1360.39,-905.35 -1357.05,-902 -1348.8,-902 -1346.86,-900.05 -1280.5,-900.05 -1279.97,-900.59 -1224.49,-900.59 -1213.43,-911.65 -1185.93,-911.65 v1(-1173.74,-923.83) ; IC14B.11@-530.91,-1040.41 -529.74,-1039.24 -529.74,-1013.65 v1(-527.95,-1011.87)
ADC_IN8.SIG_P: IC14B.10 R48I.2 R58I.2 | length 932.2
  TOP w5.71: v1(-1272.17,-927.77) -1272.17,-926.21 -1261.32,-915.36 -1261.32,-910.73 -1251.68,-901.09 -1218.39,-901.09 -1205.68,-888.38 -1008.69,-888.38 -989.75,-869.44 -903.53,-869.44 -787.55,-985.42 -584.95,-985.42 -584.61,-985.76 -578.48,-985.76 -566.83,-997.41 -544.19,-997.41 -537,-990.21 v1(-535.83,-990.21)
  BOTTOM w5.71: R48I.2@-1295.18,-920.11 -1287.52,-927.77 v1@-1276.79,-927.77 ; v1(-1272.17,-927.77) R58I.2@-1237.92,-927.77 ; IC14B.10@-550.59,-1040.41 -550.59,-1004.98 v1(-535.83,-990.21)
ADC_IN9.SIG_N: C100J.1 IC14B.8 R60J.2 | length 932.9
  TOP w5.71: C100J.1@-1198.94,-1081.31 -1177.69,-1081.31 v1@-1176,-1083
  L2 w4: v1(-1173.74,-1081.31) -1171.5,-1083.56 -1166.62,-1083.56 -1165.53,-1084.65 -1162.21,-1084.65 -1157.12,-1079.56 -948.63,-1079.56 -846.89,-977.82 -717.67,-977.82 -715.21,-980.28 -675.33,-980.28 -671.4,-984.22 -622.65,-984.22 -618.55,-988.32 -603.33,-988.32 -595.72,-995.94 -595.72,-1003.99 -589.43,-1010.27 v1(-589.43,-1012.2)
  BOTTOM w5.71: R60J.2@-1367.44,-1083.28 -1367.44,-1058.69 -1363.64,-1054.89 -1280.96,-1054.89 -1266.72,-1069.13 -1199.62,-1069.13 -1187.44,-1081.31 v1(-1173.74,-1081.31) ; IC14B.8@-589.96,-1040.41 -589.7,-1040.14 -589.7,-1012.47 v1(-589.43,-1012.2)
ADC_IN9.SIG_P: IC14B.7 R48J.2 R58J.2 | length 829.7
  L2 w4: v1(-1272.17,-1085.25) -1270.2,-1083.28 -1219.27,-1083.28 -1206.37,-1096.19 -1158.9,-1096.19 -1151.27,-1088.56 -944.9,-1088.56 -843.16,-986.82 -721.4,-986.82 -718.94,-989.28 -679.06,-989.28 -675.12,-993.22 -626.38,-993.22 -622.27,-997.32 -607.06,-997.32 -604.72,-999.66 -604.72,-1004.78 -611,-1011.07 v1(-611,-1013)
  BOTTOM w5.71: R48J.2@-1295.18,-1074.95 -1295.18,-1075.74 -1286.62,-1084.3 -1283.49,-1084.3 -1283.27,-1084.52 -1272.9,-1084.52 v1(-1272.17,-1085.25) R58J.2@-1237.92,-1085.25 ; v1@-609.91,-1013 -609.91,-1040.14 IC14B.7@-609.65,-1040.41
ADC_IN10.SIG_N: C100K.1 IC14B.5 R60K.2 | length 1039
  TOP w5.71: C100K.1@-1198.94,-1238.79 v1(-1173.74,-1238.79)
  L2 w4: v1(-1173.74,-1238.79) -1175.71,-1240.76 -1215.36,-1240.76 -1217.71,-1238.42 -1217.71,-1235.1 -1207.05,-1224.45 -957.67,-1224.45 -885.88,-1152.66 -885.88,-1098.69 -805.51,-1018.32 -719.15,-1018.32 -699.7,-1037.77 -661.12,-1037.77 -652.62,-1029.28 -652.62,-1020.08 -646.06,-1013.52 v1(-646.06,-1011.87)
  BOTTOM w5.71: R60K.2@-1367.44,-1240.76 -1367.44,-1239.97 -1350.8,-1223.33 -1350.8,-1220.06 -1345.54,-1214.79 -1279.19,-1214.79 -1278.43,-1215.55 -1224.71,-1215.55 -1213.65,-1226.61 -1185.93,-1226.61 v1(-1173.74,-1238.79) ; IC14B.5@-649.02,-1040.41 -647.85,-1039.24 -647.85,-1013.65 v1(-646.06,-1011.87)
ADC_IN10.SIG_P: IC14B.4 R48K.2 R58K.2 | length 856.1
  L2 w4: v1(-1272.17,-1242.73) -1232.52,-1242.73 -1228.21,-1238.42 -1228.21,-1230.75 -1212.9,-1215.45 -961.4,-1215.45 -894.88,-1148.93 -894.88,-1094.96 -809.24,-1009.32 -715.42,-1009.32 -697.47,-1027.27 -665.47,-1027.27 -663.12,-1024.93 -663.12,-1020.08 -669.68,-1013.52 v1(-669.68,-1011.87)
  BOTTOM w5.71: R48K.2@-1296.58,-1240.76 -1294.61,-1242.73 -1274.14,-1242.73 -1272.17,-1240.76 -1272.12,-1240.81 -1263.85,-1240.81 -1263.8,-1240.76 -1239.89,-1240.76 R58K.2@-1237.92,-1242.73 ; v1(-669.68,-1011.87) -669.19,-1012.36 -669.19,-1039.92 IC14B.4@-668.7,-1040.41
ADC_IN11.SIG_N: C100L.1 IC14B.2 R60L.2 | length 1139
  TOP w5.71: C100L.1@-1198.94,-1396.27 v1(-1173.74,-1396.27)
  L2 w4: v1(-1173.74,-1396.27) -1171.5,-1398.52 -1166.62,-1398.52 -1165.53,-1399.61 -930.11,-1399.61 -872.66,-1342.16 -872.66,-1334.92 v1(-870.47,-1332.73)
  BOTTOM w5.71: R60L.2@-1367.44,-1398.24 -1358.88,-1389.68 -1358.88,-1385.38 -1340.75,-1367.25 -1283.56,-1367.25 -1277.79,-1373.03 -1196.99,-1373.03 v1(-1173.74,-1396.27) ; v1(-870.47,-1332.73) -868.55,-1330.81 -861.46,-1330.81 -854.74,-1324.1 -854.74,-1302.1 -875.98,-1280.86 -875.98,-1038.2 -806.01,-968.24 -754.01,-968.24 -712.56,-1009.68 -712.56,-1022.46 -708.07,-1026.95 IC14B.2@-708.07,-1040.41